# Altium PCB PCB2.PcbDoc
Units mm, origin at the board's own origin, x right, y up, seen from the top; angles counter-clockwise.
Board outline 222.03 x 137.8 mm, 2 copper layers (Top Layer, Bottom Layer); 73 components, 49 nets, 256 pads, 5 vias.
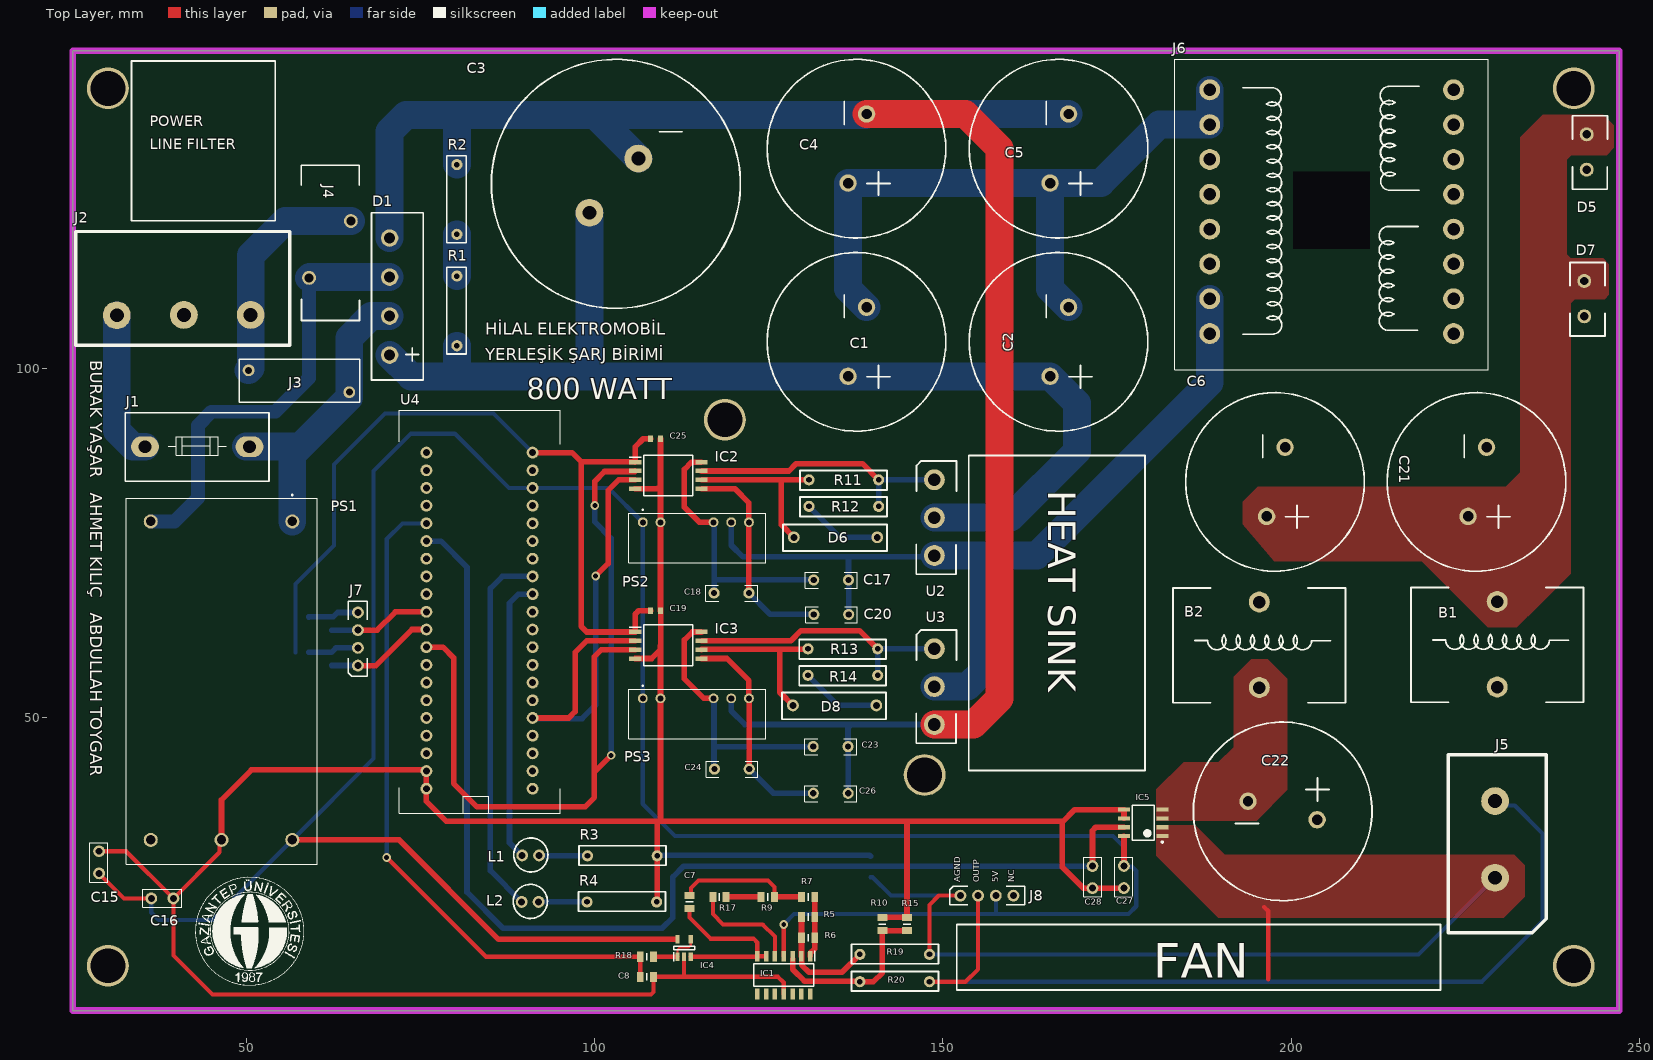
[diagram p0: Top Layer view]
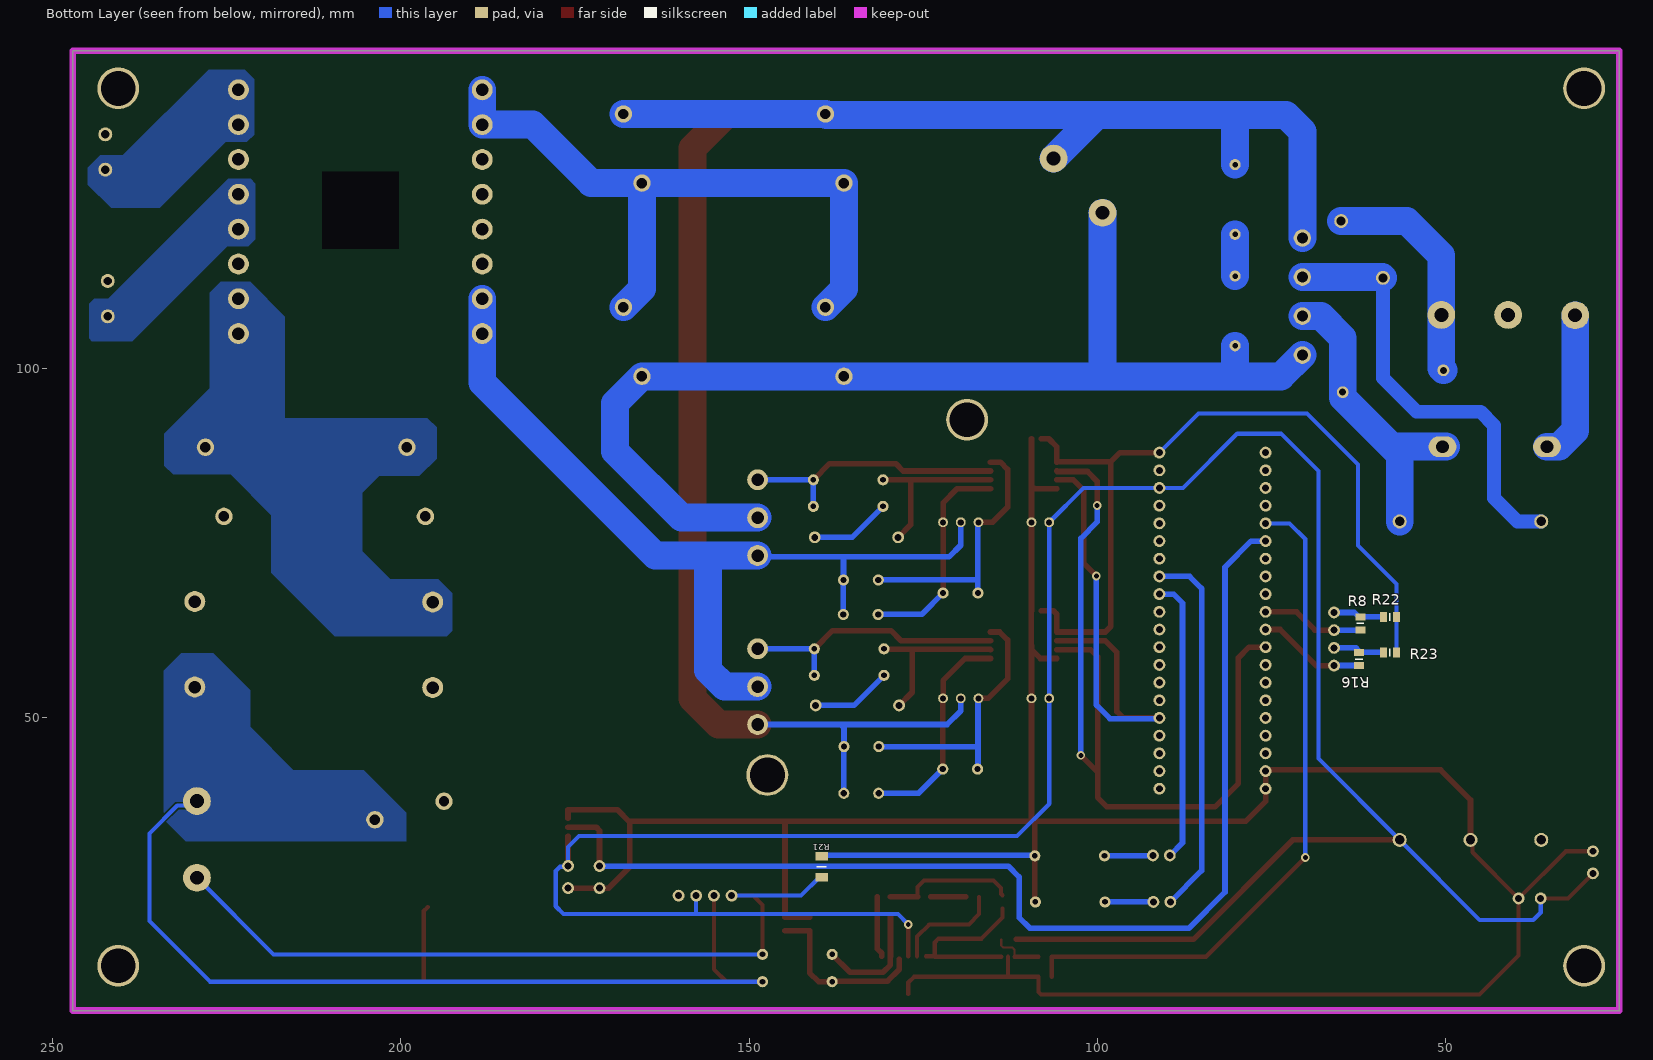
[diagram p1: Bottom Layer view, seen from below]
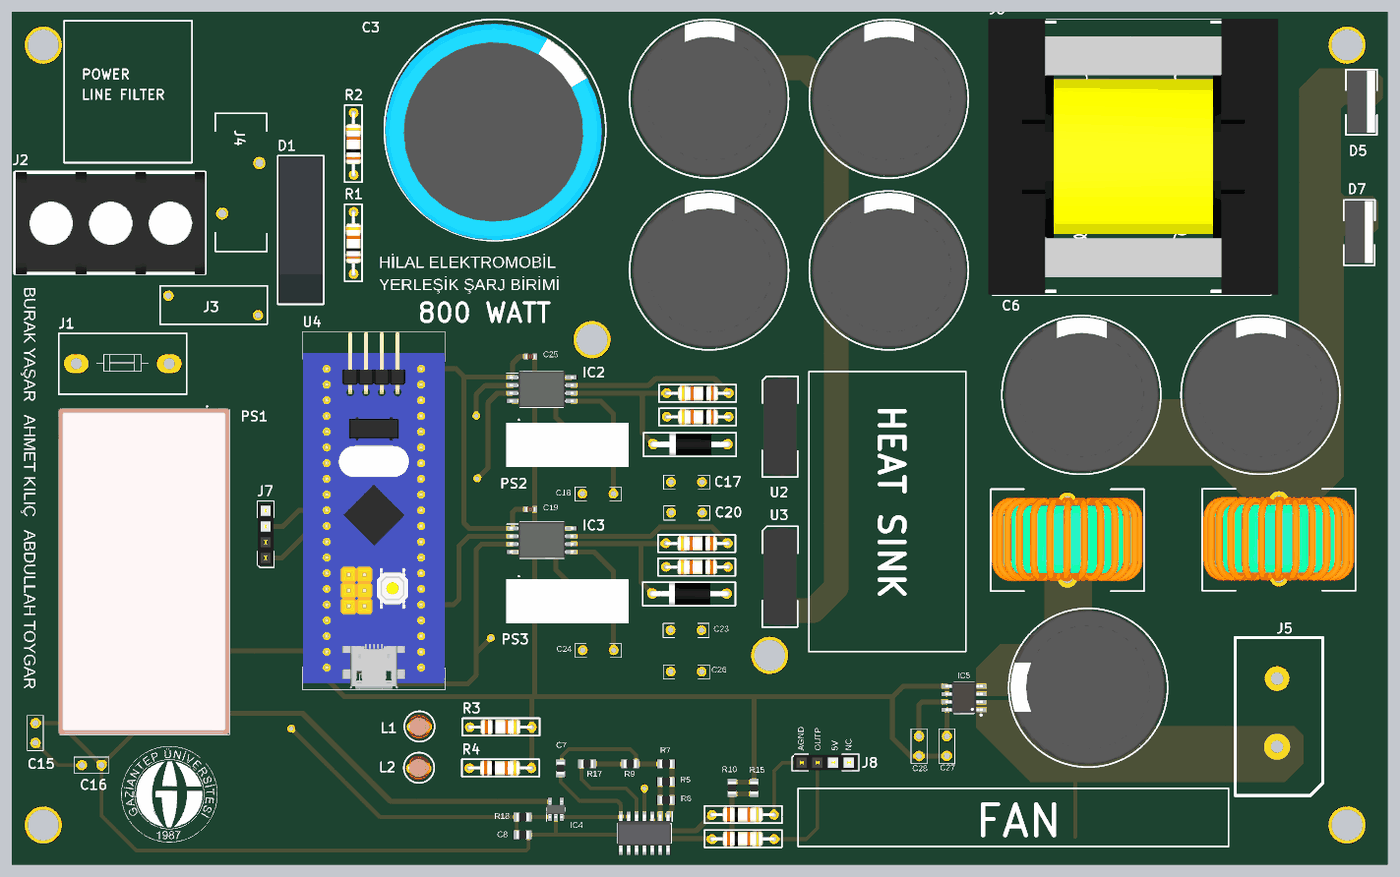
[diagram p2: 3D render of the assembled board from above, using the file's embedded part models]
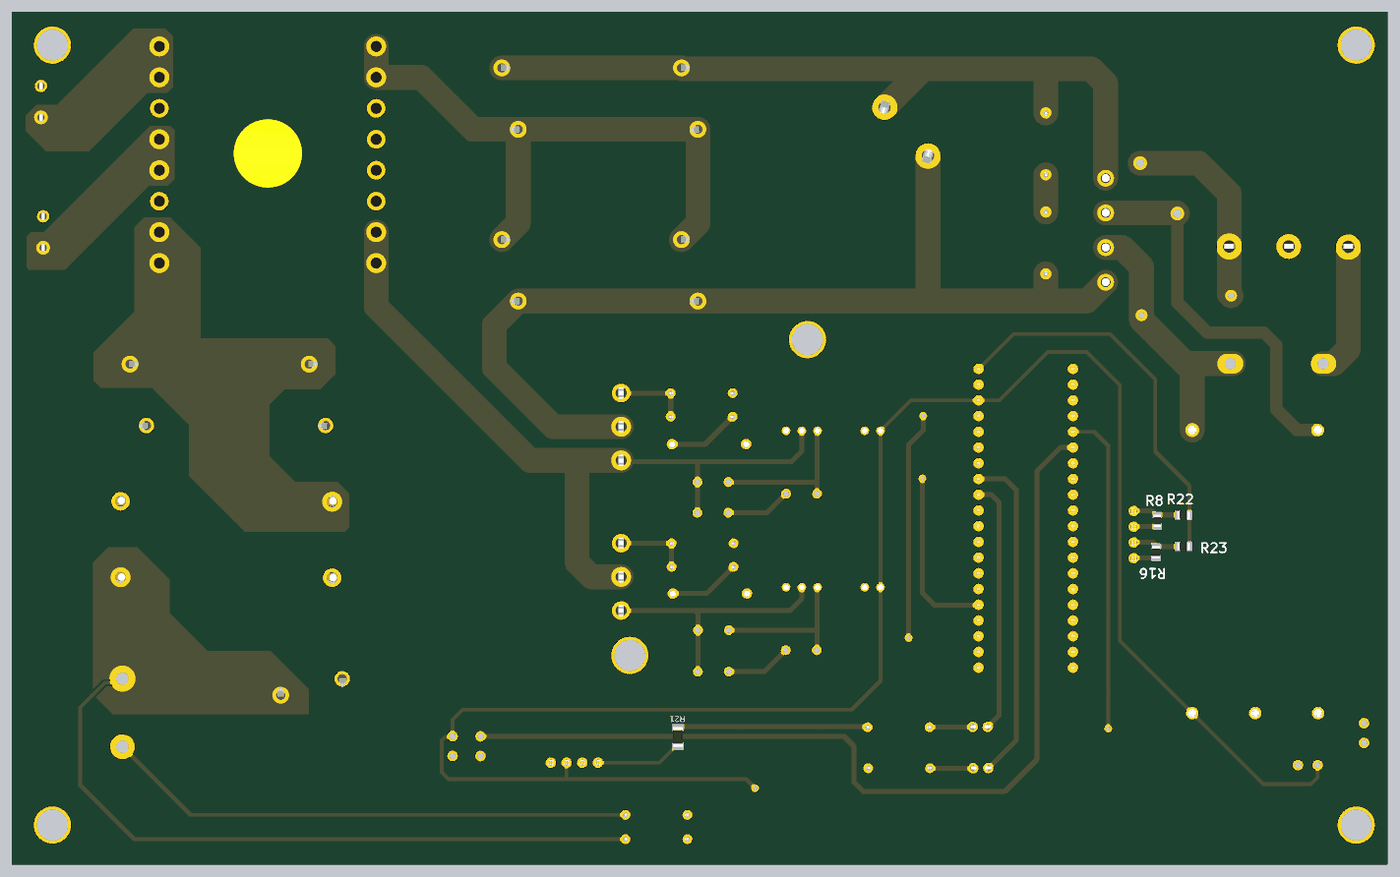
[diagram p3: 3D render of the assembled board from below, using the file's embedded part models]

## Layer stack, top to bottom
Top Solder: solder mask 0.0102, Solder Resist, Dk 3.5
Top Layer: signal copper 0.0356
Dielectric 1: dielectric 0.32, FR-4, Dk 4.8
Bottom Layer: signal copper 0.0356
Bottom Solder: solder mask 0.0102, Solder Resist, Dk 3.5

## Board outline
25.1,7.875 247.125,7.875 247.125,145.675 25.1,145.675

## Design rules (kind name [scope] priority, off if disabled: settings)
Clearance [All] p1: gap=0.254 ignorepadtopadclearanceinfootprint=FALSE except(0: Arc-Hole Track-Hole SMDPad-Hole THPad-Hole Via-Hole Fill-Hole Poly-Hole Region-Hole Text-Hole; 0.1: Arc-Text Track-Text THPad-Text; 0.2: Arc-THPad Track-THPad)
Height [All] p1: minheight=0 maxheight=254 prefheight=12.7
HoleSize [All] p1: absolutevalues=TRUE maxlimit=400 minlimit=0.025 maxpercent=80.000 minpercent=20.000
MinimumSolderMaskSliver [All] p1: minsoldermaskwidth=0.1
PolygonConnect [All] p1: connectstyle=Direct reliefconductorwidth=0.254 reliefentries=4 polygonreliefangle="90 Angle" airgapwidth=0.254
RoutingVias [All] p1: holewidth=0.711 width=1.27 viastyle="Through Hole" minholewidth=0.711 minwidth=1.27 maxholewidth=0.711 maxwidth=1.27
SilkToSolderMaskClearance [IsPad] p1: minsilkscreentomaskgap=0.1 clearancetoexposedcopper=TRUE
SolderMaskExpansion [All] p1: expansion=0.102 istentingtop=FALSE
Width [All] p1: maxlimit=10 minlimit=0.254 preferedwidth=0.254 minimp=50.000000 maximp=50.000000 favimp=50.000000
26 further rules are at their usual default settings.

## Components (designator, comment, footprint, x,y, rotation, side; value= is the part's Value field where it differs from the comment)
B1 "Toroid Bobin" "toroid bobin" 243.15,49.775 r0 top
B2 "Toroid Bobin" "toroid bobin" 209,49.7 r0 top
C1 "680uF 200V" "200v 680uF CAPACITOR" 150.215,91.383 r90 top
C2 "680uF 200V" "200v 680uF CAPACITOR" 179.216,91.383 r90 top
C3 "400V 470uF cap" "400V 470uF" 89.924,113.467 r0 top
C4 "680uF 200V" "200v 680uF CAPACITOR" 150.215,119.12 r90 top
C5 "680uF 200V" "200v 680uF CAPACITOR" 179.216,119.12 r90 top
C6 "680uF 200V" "200v 680uF CAPACITOR" 210.3,71.275 r90 top
C7 "1nF" RESC2012X65N 113.65,23.475 r90 top
C8 "27pF" RESC2012X65N 107.525,12.725 r0 top
C15 "0.1 uF" "0.1 uF mercimek kapasitör" 30.225,26.25 r90 top
C16 "0.1 uF" "0.1 uF mercimek kapasitör" 35.05,22.625 r0 top
C17 "1uF" "KUTU KAPASİTÖR 1uF" 129.05,68.025 r0 top
C18 "0.1uF" "KUTU KAPASİTÖR 1uF" 114.749,66.143 r0 top
C19 "CL10B104KB8NNNC" CAPC1608X90N 108.775,65.278 r0 top
C20 "1uF" "KUTU KAPASİTÖR 1uF" 129.075,63.075 r0 top
C21 "680uF 200V" "200v 680uF CAPACITOR" 239.225,71.275 r90 top
C22 "680uF 200V" "200v 680uF CAPACITOR" 211.3,49.075 r180 top
C23 "1uF" "KUTU KAPASİTÖR 1uF" 128.975,44.1 r0 top
C24 "0.1uF" "KUTU KAPASİTÖR 1uF" 114.796,40.87 r0 top
C25 "CL10B104KB8NNNC" CAPC1608X90N 108.775,89.975 r0 top
C26 "1uF" "KUTU KAPASİTÖR 1uF" 129,37.4 r0 top
C27 "100nF" "0.1 uF mercimek kapasitör" 177.363,24.138 r90 top
C28 "100nF" "0.1 uF mercimek kapasitör" 170.15,29.95 r270 top
D1 "BRIDGE RECTIFIER" RECTIFIER 68.06,123.195 r270 top
D5 "MUR1560 DIODE" "MUR1560 FAST DIODE" 230.35,136.675 r180 top
D6 "SF-26 DIODE" "SF-26 DIODE" 142.05,78.194 r180 top
D7 "MUR1560 DIODE" "MUR1560 FAST DIODE" 230,115.625 r180 top
D8 "SF-26 DIODE" "SF-26 DIODE" 141.912,54.064 r180 top
IC1 "TL034ACD" SOIC127P600X175-14N 127.175,12.975 r270 top
IC2 "STGAP2HSMTR" SOIC127P1032X264-8N 110.617,84.709 r0 top
IC3 "STGAP2HSMTR" SOIC127P1032X264-8N 110.617,60.325 r0 top
IC4 "NCS325SN2T1G" SOT95P275X110-5N 112.875,16.85 r90 top
IC5 "TRANSDUCER" "GHS 16-SME current transducer" 178.776,34.827 r180 top
J1 "sigorta" "FUSE HOLDER" 34.025,85.05 r0 top
J2 "barrier klemens" "BARRİER KLEMENS" 25.7,103.25 r0 top
J3 "275V varistör" "Varistor 275V" 48.95,95.15 r0 top
J4 "NTC" NTC 54.7,137.325 r270 top
J5 "2X BARRİER KLEMENS" "2X BARRİER KLEMENS" 224.825,41.95 r270 top
J6 "smps trafo" "SMPS TRAFO" 181.891,97.041 r0 top
J7 "4x header" "4x header" 68.425,55.135 r90 top
J8 "4x header" "4x header" 150.26,22 r0 top
L1 "led" led 87.65,26.346 r0 top
L2 "led" led 87.575,19.675 r0 top
PS1 "RAC10-05SK_277" RAC1005SK277 56.62,78.1 r270 top
PS2 "RKZ-052005D" RKZ1215SH 106.94,77.978 r0 top
PS3 "RKZ-052005D" RKZ1215SH 106.94,52.705 r0 top
R1 "RESISTOR" "GENERAL RESISTOR" 78.6,114.925 r270 top
R2 "RESISTOR" "GENERAL RESISTOR" 78.6,130.925 r270 top
R3 "500ohm" "GENERAL RESISTOR" 110.6,31.75 r180 top
R4 "500 ohm" "GENERAL RESISTOR" 110.525,25.125 r180 top
R5 "22pF" RESC2012X65N 130.675,18.325 r0 top
R6 "1K3" RESC2012X65N 130.675,21.3 r0 top
R7 "47k" RESC2012X65N 130.675,24.2 r0 top
R8 "0.1uF" RESC2012X65N 62.275,63.45 r270 bottom
R9 "680k" RESC2012X65N 124.875,24.2 r0 top
R10 "1K3" RESC2012X65N 141.325,20.3 r270 top
R11 "1k" "GENERAL RESISTOR" 129.2,82.424 r0 top
R12 "1k" "GENERAL RESISTOR" 129.2,78.613 r0 top
R13 "1k" "GENERAL RESISTOR" 129.062,58.167 r0 top
R14 "1k" "GENERAL RESISTOR" 129.062,54.357 r0 top
R15 "22pF" RESC2012X65N 144.875,20.3 r270 top
R16 "0.1uF" RESC2012X65N 62.45,58.35 r90 bottom
R17 "18k" RESC2012X65N 117.95,24.2 r0 top
R18 "33R" RESC2012X65N 107.525,15.6 r180 top
R19 "56K" "GENERAL RESISTOR" 149.7,17.6 r180 top
R20 "56K" "GENERAL RESISTOR" 149.7,13.675 r180 top
R21 "ZERO OHM" RESC3216X75N 139.625,28.525 r270 bottom
R22 "10K" RESC2012X65N 58.025,64.375 r180 bottom
R23 "10K" RESC2012X65N 58.025,59.3 r180 bottom
U2 "LSIC1MO120E0160" LSIC1MO120E0160 145.114,87.936 r270 top
U3 "LSIC1MO120E0160" LSIC1MO120E0160 145.114,63.681 r270 top
U4 "stm32 blue pill" "STM32 BLUE PİLL" 97.515,99.91 r180 top

## Footprints (in the part's own frame and the unit in brackets; to place one, negate y for a bottom-side part, rotate by r counter-clockwise, add the part's x,y. Pads: shape width x height; smd on the part's side, far side on the other; paste and mask are expansions set on the pad)
"0.1 uF mercimek kapasitör" [mm] "kapasitör"
  round 1.7 hole 1: 1(1.325,1.35) 2(4.5,1.35)
  silkscreen extent 0.08,0.08 5.73,2.65, body extent 1.15,0.28 4.65,2.33, height 3.75
"2X BARRİER KLEMENS" [mm]
  round 4 hole 2: 1(4,4.475) 2(15,4.475)
  silkscreen extent -2.63,-2.27 22.9,11.83
"4x header" [mm]
  round 1.7 hole 1: 1(2.275,2.375) 2(4.815,2.375) 3(7.355,2.375) 4(9.895,2.375)
  silkscreen extent 0.75,1.05 11.52,3.75, body extent 1.04,1.11 11.2,3.65, height 10
"200v 680uF CAPACITOR" [mm] "10.2 mm"
  round 2.5 hole 1.5: 1(7.55,13.8) 2(17.475,11.15)
  silkscreen extent -0.32,-0.22 25.32,25.42, body extent 0.02,0.02 25.03,25.02, height 31.91
"400V 470uF" [mm]
  round 4 hole 2: 1(9.35,8.95) 2(16.375,16.725)
  silkscreen extent -4.72,-4.77 31.02,30.97, body extent -4.6,-4.72 30.4,30.27, height 50
"BARRİER KLEMENS" [mm] "9.5mm"
  round 4 hole 2: 1(5.725,4.45) 2(15.35,4.5) 3(24.95,4.5)
  silkscreen extent -0.15,0.15 30.55,16.47, body extent 0.01,0 30.59,16.5, height 18.5
CAPC1608X90N [mm]
  rect 0.73x0.94 smd: 1(-0.71,0) 2(0.71,0)
  body extent -0.8,-0.4 0.8,0.4, height 0.9
"FUSE HOLDER" [mm] "Sigorta (2.2mm)"
  oval 4x3 hole 1.8: 1(1.45,3.775) 2(16.45,3.775)
  silkscreen extent -1.4,-1.17 19.25,8.65
"GENERAL RESISTOR" [mm]
  round 1.6 hole 0.8: 1(1.6,1.65) 2(11.6,1.65)
  silkscreen extent 0.33,0.2 12.8,3, body extent 1.4,0.35 11.9,2.87, height 2.64
"GHS 16-SME current transducer" [mm] "SOIC, 8-Leads, Body 4,89x3,90mm, Pitch 1,27mm, IPC High Density"
  rect 1.7x0.6 smd: 1(-2.75,1.905) 2(-2.75,0.635) 3(-2.75,-0.635) 4(-2.75,-1.905) 5(2.75,-1.905) 6(2.75,-0.635) 7(2.75,0.635) 8(2.75,1.905)
  silkscreen extent -2.88,-2.5 1.6,2.88, body extent -3.01,-2.5 3.01,2.5, height 1.63
"KUTU KAPASİTÖR 1uF" [mm] "1uF"
  round 1.6 hole 0.9: 1(2.425,1.675) 2(7.425,1.675)
  silkscreen extent 1.22,0.48 8.67,2.78
led [mm] "led"
  round 1.7 hole 1: 1(1.975,3.8) 2(4.4,3.8)
  silkscreen extent 0.78,1.43 5.68,6.32, body extent 1.53,1.9 5.1,5.79, height 5.3
LSIC1MO120E0160 [mm] "MOSFET"
  round 3 hole 1.8: 1(3.856,3.686) 2(9.296,3.686) 3(14.736,3.686)
  silkscreen extent 1.15,1.1 17.42,6.85, body extent 1.37,1.31 17.22,6.61, height 25.95
"MUR1560 FAST DIODE" [mm]
  round 2 hole 1.2: 1(-12.1,3) 2(-12.1,8.075)
  silkscreen extent -15.09,0.35 -10.06,10.9, body extent -14.75,0.57 -10.31,10.53, height 8.97
NTC [mm]
  round 2 hole 1.3: 1(16.1,10.325) 2(24.25,4.325)
  silkscreen extent 8.08,3.2 30.37,11.55, body extent 8.23,3.35 30.23,11.35, height 24
RAC1005SK277 [mm]
  round 2.025 hole 1.35: 1(0,0) 2(0,-20.32) 3(45.72,-20.32) 4(45.72,-10.16) 5(45.72,0)
  silkscreen extent -3.9,-23.82 49.2,3.58, body extent -3.51,-24.02 49.19,3.58, height 23.23
RECTIFIER [mm]
  round 2.5 hole 1.6: 1(10.02,2.54) 2(15.62,2.54) 3(4.42,2.54) 4(21.22,2.54)
  silkscreen extent 0.78,-0.05 24.78,7.35, body extent 0.95,0.08 24.66,7.18, height 21.4
RESC2012X65N [mm]
  rect 1x1.45 smd: 1(-0.95,0) 2(0.95,0)
  silkscreen extent 0,-0.53 0,0.53, body extent -1,-0.63 1,0.63, height 0.65
RESC3216X75N [mm]
  rect 1.2x1.8 smd: 1(-1.5,0) 2(1.5,0)
  silkscreen extent 0,-0.7 0,0.7, body extent -1.6,-0.8 1.6,0.8, height 0.75
RKZ1215SH [mm] "dc-dc 5-20"
  round 1.414 hole 0.87: 1(0,0) 2(2.54,0) 5(10.16,0) 6(12.7,0) 7(15.24,0)
  silkscreen extent -2,-5.78 17.65,1.9, body extent -1.99,-5.78 17.65,1.26, height 10.11
"SF-26 DIODE" [mm]
  round 1.7 hole 1: 1(1.45,2.375) 2(13.425,2.375)
  silkscreen extent 0.05,0.53 15,4.35, body extent 1,0.65 13.9,4.15, height 3.75
"SMPS TRAFO" [mm]
  round 3 hole 1.8: 1(6.45,43.025) 2(6.45,38.025) 3(6.45,33.025) 4(6.45,28.025) 5(6.45,23.025) 6(6.45,18.025) 7(6.45,13.025) 8(6.45,8.025) 9(41.45,8.025) 10(41.45,13.025) 11(41.45,18.025) 12(41.45,23.025) 13(41.45,28.025) 14(41.45,33.025) 15(41.45,38.025) 16(41.45,43.025)
  silkscreen extent 1.45,2.8 46.45,47.4, body extent 0.8,2.93 47.6,47.53, height 42.24
SOIC127P600X175-14N [mm]
  rect 1.525x0.65 smd: 1(-2.712,3.81) 2(-2.712,2.54) 3(-2.712,1.27) 4(-2.712,0) 5(-2.712,-1.27) 6(-2.712,-2.54) 7(-2.712,-3.81) 8(2.712,-3.81) 9(2.712,-2.54) 10(2.712,-1.27) 11(2.712,0) 12(2.712,1.27) 13(2.712,2.54) 14(2.712,3.81)
  silkscreen extent -3.47,-4.33 1.6,4.48, body extent -3.01,-4.33 3.01,4.33, height 1.75
SOIC127P1032X264-8N [mm]
  rect 1.75x0.65 smd: 1(-4.75,1.905) 2(-4.75,0.635) 3(-4.75,-0.635) 4(-4.75,-1.905) 5(4.75,-1.905) 6(4.75,-0.635) 7(4.75,0.635) 8(4.75,1.905)
  silkscreen extent -5.63,-2.92 3.52,2.92, body extent -5.16,-2.92 5.16,2.92, height 2.64
SOT95P275X110-5N [mm]
  rect 1.25x0.6 smd: 1(-1.25,0.95) 2(-1.25,0) 3(-1.25,-0.95) 4(1.25,-0.95) 5(1.25,0.95)
  silkscreen extent -1.88,-1.5 0.28,1.5, body extent -1.38,-1.5 1.38,1.5, height 1.1
"STM32 BLUE PİLL" [mm]
  round 1.7 hole 1: 1(21.64,11.925) 2(21.64,14.465) 3(21.64,17.005) 4(21.64,19.545) 5(21.64,22.085) 6(21.64,24.625) 7(21.64,27.165) 8(21.64,29.705) 9(21.64,32.245) 10(21.64,34.785) 11(21.64,37.325) 12(21.64,39.865) 13(21.64,42.405) 14(21.64,44.945) 15(21.64,47.485) 16(21.64,50.025) 17(21.64,52.565) 18(21.64,55.105) 19(21.64,57.645) 20(21.64,60.185) 21(6.4,60.185) 22(6.4,57.645) 23(6.4,55.105) 24(6.4,52.565) 25(6.4,50.025) 26(6.4,47.485) 27(6.4,44.945) 28(6.4,42.405) 29(6.4,39.865) 30(6.4,37.325) 31(6.4,34.785) 32(6.4,32.245) 33(6.4,29.705) 34(6.4,27.165) 35(6.4,24.625) 36(6.4,22.085) 37(6.4,19.545) 38(6.4,17.005) 39(6.4,14.465) 40(6.4,11.925)
  silkscreen extent 2.42,5.87 25.58,63.73, body extent 2.57,6.04 25.43,63.61, height 13.77
"toroid bobin" [mm]
  round 3 hole 1.8: 1(-13.55,16.825) 2(-13.55,4.55)
  silkscreen extent -25.93,2.37 -1.17,18.85, body extent -25.75,3.97 -1.4,17.53, height 25.26
"Varistor 275V" [mm]
  round 1.7 hole 1: 1(1.4,4.65) 2(15.85,1.5)
  silkscreen extent 0.05,0.05 17.35,6.25

## Part data
C1 C2 C4 C5 C6 C21 C22: "CAPACITOR"
C3: "470 uF"
C7 C8 R5 R6 R7 R8 R9 R10 R15 R16 R17 R18 R22 R23: library part CPF0805B100RE1, "Resistor", Manufacturer_Name="TE Connectivity", Mouser Part Number=279-CPF0805B100RE1, Arrow Part Number=CPF0805B100RE1, Arrow Price/Stock=https://www.arrow.com/en/products/cpf0805b100re1/te-connectivity?region=nac, Datasheet Link=https://datasheet.datasheetarchive.com/originals/distributors/DKDS-21/401696.pdf, Height=0.65mm, Manufacturer_Part_Number=CPF0805B100RE1, Mouser Price/Stock=https://www.mouser.co.uk/ProductDetail/TE-Connectivity-Holsworthy/CPF0805B100RE1?qs=9ylKvqdyudkCWLPT1QvLZQ%3D%3D
C15 C16 C27 C28: library part "0.1 uF mercimek kapasitör", "CAPACITOR"
C17 C20 C23 C26: library part "KUTU KAPASİTÖR 1uF"
C18 C24: library part "KUTU KAPASİTÖR 1uF", "1uF"
C19 C25: "Capacitor", Manufacturer_Name=SAMSUNG, Mouser Part Number=187-CL10B104KB8NNNC, Arrow Part Number=CL10B104KB8NNNC, Arrow Price/Stock=https://www.arrow.com/en/products/cl10b104kb8nnnc/samsung-electro-mechanics?region=nac, Datasheet Link=https://datasheet.datasheetarchive.com/originals/distributors/Datasheets-DGA10/2408969.pdf, Height=0.9mm, Manufacturer_Part_Number=CL10B104KB8NNNC, Mouser Price/Stock=https://www.mouser.co.uk/ProductDetail/Samsung-Electro-Mechanics/CL10B104KB8NNNC?qs=349EhDEZ59rvGc2rLwVOdA%3D%3D
D1: "RECTIFIER"
D5 D6 D7 D8: "DIODE"
IC1: "Integrated Circuit", Manufacturer_Name="Texas Instruments", Mouser Part Number=595-TL034ACD, Arrow Part Number=TL034ACD, Arrow Price/Stock=https://www.arrow.com/en/products/tl034acd/texas-instruments, Datasheet Link=http://www.ti.com/lit/gpn/TL034A, Height=1.75mm, Manufacturer_Part_Number=TL034ACD, Mouser Price/Stock=https://www.mouser.com/Search/Refine.aspx?Keyword=595-TL034ACD
IC2 IC3: "Integrated Circuit", Manufacturer_Name=STMicroelectronics, Mouser Part Number=511-STGAP2HSMTR, Arrow Part Number=STGAP2HSMTR, Arrow Price/Stock=https://www.arrow.com/en/products/stgap2hsmtr/stmicroelectronics?region=nac, Datasheet Link=https://www.st.com/resource/en/datasheet/stgap2hs.pdf, Height=2.64mm, Manufacturer_Part_Number=STGAP2HSMTR, Mouser Price/Stock=https://www.mouser.co.uk/ProductDetail/STMicroelectronics/STGAP2HSMTR?qs=DPoM0jnrROVEB9wqbhFGMA%3D%3D
IC4: "Integrated Circuit", Manufacturer_Name=onsemi, Mouser Part Number=863-NCS325SN2T1G, Arrow Part Number=NCS325SN2T1G, Arrow Price/Stock=https://www.arrow.com/en/products/ncs325sn2t1g/on-semiconductor, Datasheet Link=https://componentsearchengine.com/Datasheets/1/NCS325SN2T1G.pdf, Height=1.1mm, Manufacturer_Part_Number=NCS325SN2T1G, Mouser Price/Stock=https://www.mouser.co.uk/ProductDetail/onsemi/NCS325SN2T1G?qs=dbuNSGnowt2g9SoYxOxXaw%3D%3D
J2: "9.5mm"
J3: "VARISTOR"
J4: "SİGORTA"
J7 J8: "header"
PS1: "Power Supply", Arrow Part Number=RAC10-05SK/277, Manufacturer_Name="RECOM Power", Mouser Part Number=919-RAC10-05SK/277, Arrow Price/Stock=https://www.arrow.com/en/products/rac10-05sk277/recom-power?region=europe, Datasheet Link=https://componentsearchengine.com/Datasheets/1/RAC10-05SK_277.pdf, Height=23.5mm, Manufacturer_Part_Number=RAC10-05SK/277, Mouser Price/Stock=https://www.mouser.co.uk/ProductDetail/RECOM-Power/RAC10-05SK-277?qs=j%252B1pi9TdxUZOeTKEBCMwCw%3D%3D
PS2 PS3: "Power Supply", Manufacturer_Name="RECOM Power", Mouser Part Number=919-RKZ-052005D, Arrow Part Number=RKZ-052005D, Arrow Price/Stock=https://www.arrow.com/en/products/rkz-052005d/recom-power, Datasheet Link=https://www.recom-power.com/pdf/Econoline/RKZ-xx2005D.pdf, Height=10.7mm, Manufacturer_Part_Number=RKZ-052005D, Mouser Price/Stock=https://www.mouser.co.uk/ProductDetail/RECOM-Power/RKZ-052005D?qs=IbBl3rwNelPSJrfShwexQQ%3D%3D
R1 R2: "GENERAL RESISTOR"
R3 R4 R11 R12 R13 R14 R19 R20: library part RESISTOR, "GENERAL RESISTOR"
R21: library part CR1206-F_-2R00ELF, "Resistor", Manufacturer_Name=Bourns, Manufacturer_Part_Number=CR1206-F/-2R00ELF, Mouser Part Number=652-CR1206-F/2R00ELF, Height=0.75mm, Mouser Price/Stock=https://www.mouser.co.uk/ProductDetail/Bourns/CR1206-F-2R00ELF?qs=W%2FMpXkg%252BdQ47Z%2FeZv1nDSg%3D%3D
U2 U3: "MOSFET"
U4: "CONTROLLER"

## Free pads (board coordinates)
  rect 1x1 hole 11 square: 2(205.825,122.775)
  round 6 hole 5: ""(30.15,14.3) ""(30.15,140.275) ""(118.725,92.7) ""(147.4,41.7) ""(240.6,14.3) ""(240.6,140.275)

## Via types
v1: diameter 1.27, hole 0.711, Top Layer to Bottom Layer, 5 vias

## Nets (pads, with @x,y where several pads share a name; then routed paths per layer and width w, separated by ;. In a path a pad name is that pad's centre, name@x,y a point inside that pad or via, vN(x,y) a via of type N, cw(c..) or ccw(c..) an arc to the next point about the centre after c; other vN are vias at no path point)
3.3V: C19.1 C25.1 IC2.1 IC3.1 R22.2 R23.2 U4.40 | length 120.1
  Top Layer w0.8: U4.40 96.779,87.985 98.075,86.689 ; C19.1 106.336,65.278 105.867,64.809 IC3.1 98.895,62.23 98.075,63.05 98.075,86.689 ; C25.1 107,89.975 105.867,88.842 IC2.1 105.792,86.689 98.075,86.689
  Bottom Layer w0.6: R23.2 R22.2 57.075,69.1 62.6,74.625 62.6,86.275 69.925,93.6 85.5,93.6 U4.40
5V: C15.1 C16.1 C27.2 IC1.4 IC4.5 IC5.8 J8.3 PS1.5 PS2.1 PS3.1 U4.38 | length 386.4
  Top Layer w0.6: C15.1 32.475,23.975 C16.1 ; IC1.4 v1(127.175,20.25)
  Top Layer w0.8: PS1.5 71.97,32.38 86.25,18.1 IC4.5@111.7,18.1 ; IC5.8@176.017,32.913 IC5.8 C27.2@176.026,28.65
  Bottom Layer w0.6: C16.1 36.375,21.975 37.45,20.9 45.14,20.9 PS1.5 68.3,44.06 68.3,85.325 73.675,90.7 79.95,90.7 87.745,82.905 U4.38 102.013,82.905 PS2.1 PS3.1@106.94,52.775 ; PS3.1 106.94,37.56 111.55,32.95 174.425,32.95 176.025,31.35 C27.2@176.025,28.65 ; v1(127.175,20.25) 128.65,21.725 157.625,21.725 ; J8.3 157.625,24.365 157.625,21.725 ; C27.2 176.125,28.525 177.175,28.525 177.775,27.925 177.775,22.85 176.65,21.725 157.625,21.725
"20V HS": C18.2 C20.1 IC2.5 PS2.7 | length 31.2
  Top Layer w0.8: IC2.5 120.142,82.804 122.18,80.766 PS2.7 122.177,77.975 122.177,67.821 C18.2
  Bottom Layer w0.8: C18.2 125.242,64.75 C20.1 ; PS2.7@122.177,77.975 PS2.7
"20V LS": C24.2 C26.1 IC3.5 PS3.7 | length 31.5
  Top Layer w0.8: IC3.5 118.999,58.42 122.18,55.239 PS3.7 122.201,52.685 122.201,42.565 C24.2
  Bottom Layer w0.8: PS3.7 PS3.7@122.201,52.685 ; C24.2 125.691,39.075 C26.1
155V: C1.2 C2.2 C4.1 C5.1 J6.1 J6.2 | length 98.2
  Bottom Layer w4: C1.2 136.415,111.508 C4.1 C5.1 ; C2.2 165.415,111.508 C5.1 ; J6.1 J6.2 181.091,135.066 172.696,126.671 C5.1
310V: C1.1 C2.1 C3.1 D1.4 R1.2 U2.2 | length 160.8
  Bottom Layer w4: D1.4 73.642,98.933 80.35,98.933 ; R1.2 80.25,99.033 80.35,98.933 ; C3.1 99.274,98.933 ; U2.2 159.74,78.64 169.275,88.175 169.275,95.073 C2.1 C1.1 99.274,98.933 ; 80.35,98.933 99.274,98.933
"-5V LS": C23.1 C24.1 IC3.8 PS3.5 | length 38.3
  Top Layer w0.8: IC3.8 114.046,62.23 112.903,61.087 112.903,55.499 115.697,52.705 PS3.5
  Bottom Layer w0.8: PS3.5 117.161,52.645 117.161,42.605 C24.1 ; 117.221,45.775 C23.1
-5VHS: C17.1 C18.1 IC2.8 PS2.5 | length 37.9
  Top Layer w0.8: IC2.8 113.955,86.614 112.903,85.562 112.903,80.137 115.062,77.978 PS2.5
  Bottom Layer w0.8: PS2.5 117.174,77.904 117.174,69.7 ; C18.1 117.174,69.7 ; C17.1 117.174,69.7
A: D1.2 J1.2 J3.2 PS1.1 | length 43.6
  Bottom Layer w4: J1.2@49.975,88.85 57.184,88.85 ; PS1.1 56.62,87.32 ; 56.62,87.72 64.8,95.9 64.8,104.457 67.918,107.575 D1.2
AGND: IC5.1 IC5.2 J5.2 J8.1 R19.1 R21.2 | length 122.5
  Top Layer w0.6: R19.1 148.1,23.05 149.425,24.375 J8.1 ; 196.15,22.75 196.725,22.175 196.725,12.375
  Bottom Layer w0.6: R21.2 139.925,27.025 142.575,24.375 J8.1 ; R19.1 218.3,15.95 J5.2
B: D1.1 J4.2 PS1.2 | length 63.4
  Bottom Layer w2: PS1.2 39.7,78.1 43.075,81.475 43.075,91.875 45.05,93.85 54.2,93.85 59.025,98.675 J4.2
  Bottom Layer w4: J4.2 59.125,113.175 D1.1
current: C28.1 IC5.7 U4.6 | length 162.9
  Top Layer w0.8: C28.1 171.5,33.723 171.969,34.192 IC5.7
  Bottom Layer w0.8: U4.6 77.94,75.285 81.7,71.525 81.7,24.875 86.875,19.7 109.725,19.7 111.25,21.225 111.25,27.05 112.825,28.625 C28.1
"GND HS": C17.2 C20.2 J6.7 J6.8 PS2.6 U2.3 U3.2 | length 127.6
  Bottom Layer w0.8: PS2.6 119.64,74.685 121.325,73 136.4,73 ; C20.2 136.487,64.762 136.487,69.688 C17.2 136.475,72.925 136.4,73 ; U2.3 148.6,73 136.4,73
  Bottom Layer w4: U3.2 153.557,54.385 155.9,56.728 155.9,72.621 156.079,72.8 ; U2.3 155.9,73.2 163.5,73.2 188.341,98.041 J6.8 J6.7
"GND LS": C3.2 C4.2 C5.2 C23.2 C26.2 D1.3 PS3.6 R2.1 U3.3 | length 283.1
  Top Layer w0.8: C23.2 C23.2@136.413,45.762 ; C26.2@136.413,39.087 C26.2
  Top Layer w4: C4.2 153.229,136.596 158.15,131.675 158.15,52.675 154.42,48.945 U3.3
  Bottom Layer w0.8: PS3.6 119.64,50.91 121.605,48.945 136.869,48.945 ; C23.2 136.4,48.476 136.869,48.945 ; C26.2@136.413,39.087 C23.2@136.413,45.762 ; U3.3 136.869,48.945
  Bottom Layer w4: D1.3 70.6,134.085 72.943,136.428 81.422,136.428 ; R2.1 80.25,135.975 ; 80.609,135.616 81.422,136.428 ; C3.2 100.063,136.428 ; C4.2@138.898,136.428 100.063,136.428 ; C4.2 C5.2 ; 81.422,136.428 100.063,136.428
HIN: IC2.2 IC3.3 U4.12 | length 121.4
  Top Layer w0.8: U4.12 78.255,60.045 79.775,58.525 79.775,40.5 83.144,37.131 98.656,37.131 100,38.475 100,42.125 ; v1(100.05,80.4) 100.05,83.875 101.444,85.269 105.792,85.269 IC2.2 ; v1(102.4,44.525) 100,42.125 ; IC3.3 100.99,59.69 100,58.7 100,42.125
  Bottom Layer w0.8: v1(100.05,80.4) 100.05,78.025 102.4,75.675 v1(102.4,44.525)
"INPUT GND": C8.2 C15.2 C16.2 C19.2 C25.2 C27.1 C28.2 IC1.11 IC2.4 IC3.4 IC4.2 IC5.5 IC5.6 PS1.4 PS2.2 PS3.2 R3.1 R4.1 R10.1 R15.1 R21.1 U4.19 U4.20 | length 413.8
  Top Layer w0.6: C15.2 32.775,30.75 C16.2 ; PS1.4 46.187,32.107 46.187,30.612 C16.2 ; R4.1 R4.1@109,23.475 ; IC4.2 112.875,12.725 ; IC1.11 127.175,11.9 126.35,12.725 112.875,12.725 ; C16.2 39.55,15.8 45.15,10.2 108.124,10.2 108.475,10.551 C8.2 112.875,12.725
  Top Layer w0.8: PS1.4 46.46,38.135 50.75,42.425 75.715,42.425 U4.19 U4.20 75.875,37.9 77.043,36.732 78.7,35.075 109,35.075 ; IC2.4@105.853,82.79 IC2.4 109.083,82.804 109.48,83.202 ; IC3.4 108.204,58.42 109.48,59.696 ; R4.1@109,23.475 R3.1 109,35.075 ; C19.2 109.483,65.28 109.483,77.976 PS2.2 109.48,82.575 109.485,82.58 C25.2 ; C19.2@109.5,65.208 109.5,60.25 109.48,60.23 109.48,59.696 ; R10.1 R15.1 144.875,35.075 ; 167.05,35.075 144.875,35.075 ; C28.2 170.175,25.45 167.175,28.45 167.175,34.95 168.957,36.732 IC5.5 IC5.6 ; C28.2@171.512,25.463 C27.1 ; 109,35.075 109.48,35.075 ; 109.48,35.075 144.875,35.075 ; 109.48,35.075 PS3.2 109.48,59.696
  Bottom Layer w0.8: R3.1 109.087,30.188 139.462,30.188 R21.1
LIN: IC2.3 IC3.2 U4.25 | length 70.3
  Top Layer w0.8: U4.25 96.31,49.885 97.225,50.8 97.225,59.3 98.885,60.96 IC3.2 ; v1(100.175,70.275) 101.95,72.05 101.95,82.55 103.474,84.074 IC2.3
  Bottom Layer w0.8: U4.25 91.2,49.8 98.225,49.8 100.175,51.75 v1(100.175,70.275)
NetB1_1: B1.1 C6.1 C21.1 D5.1 D7.1
NetB2_1: B2.1 C6.2 C21.2 J6.9 J6.10
NetB2_2: B2.2 C22.2 IC5.3 IC5.4
NetC7_2: C7.2 R7.1 R9.2 | length 19.3
  Top Layer w0.6: C7.2 113.849,24.624 113.849,25.474 114.925,26.55 124.9,26.55 125.825,25.625 R9.2
  Top Layer w0.8: R9.2 R7.1
NetD5_2: D5.2 J6.15 J6.16
NetD6_1: D6.1 R12.1 | length 11.6
  Bottom Layer w0.8: R12.1 135.244,75.819 D6.1
NetD6_2: D6.2 IC2.6 R11.1 | length 24.4
  Top Layer w0.8: IC2.6 126.825,84.074 ; D6.2 126.825,77.619 126.825,84.074 ; R11.1 126.825,84.074
NetD7_2: D7.2 J6.12 J6.13
NetD8_1: D8.1 R14.1 | length 11.6
  Bottom Layer w0.8: R14.1 134.98,51.689 D8.1
NetD8_2: D8.2 IC3.6 R13.1 | length 24.2
  Top Layer w0.8: IC3.6 115.431,59.753 126.6,59.753 ; D8.2 126.6,53.576 126.6,59.753 ; R13.1 130.598,59.753 126.6,59.753
NetJ1_1: J1.1 J2.1 | length 21.6
  Bottom Layer w4: J2.1 31.425,91.168 33.768,88.825 J1.1
NetJ2_3: J2.3 J3.1 J4.1 | length 33
  Bottom Layer w4: J3.1 50.65,100.1 50.65,116.275 55.6,121.225 J4.1
NetJ7_2: J7.2 R16.2 R23.1 | length 7.3
  Bottom Layer w0.8: R23.1 62.25,59.3 62.9,59.95 J7.2
NetJ7_4: J7.4 R8.1 R22.1 | length 7.3
  Bottom Layer w0.8: R22.1 58.988,64.388 62.488,64.388 63.13,65.03 J7.4
NetL1_1: L1.1 U4.32 | length 40.8
  Bottom Layer w0.8: L1.1 87.8,31.971 87.8,66.375 89.09,67.665 U4.32
NetL1_2: L1.2 R3.2 | length 7
  Bottom Layer w0.8: L1.2 92.073,30.123 98.977,30.123 R3.2
NetL2_1: L2.1 U4.33 | length 53.6
  Bottom Layer w0.8: L2.1 85.05,27.975 85.05,68.475 86.78,70.205 U4.33
NetL2_2: L2.2 R4.2 | length 6.9
  Bottom Layer w0.8: L2.2 R4.2
NetR1_1: R1.1 R2.2 | length 6
  Bottom Layer w4: R1.1 R2.2
NetR5_1: IC1.2 R5.1 R6.1 R19.2 | length 16.7
  Top Layer w0.8: R6.1 R5.1 129.72,18.32 129.72,15.692 IC1.2 129.74,15.662 129.74,14.435 130.8,13.375 135.525,13.375 R19.2
NetR5_2: IC1.1 R5.2 R6.2 R7.2 | length 8.8
  Top Layer w0.8: IC1.1 130.985,16.125 131.6,16.74 131.6,18.3 R5.2 R6.2 R7.2
NetR9_1: R9.1 R17.2 | length 5
  Top Layer w0.8: R17.2 R9.1
NetR10_2: IC1.3 R10.2 R15.2 R20.2 | length 25
  Top Layer w0.8: IC1.3@128.47,15.225 128.47,13.78 130.15,12.1 R20.2@137.967,12.1 ; R20.2 140.05,12.025 141.325,13.3 R10.2 R15.2
NetR11_2: IC2.7 R11.2 R12.2 U2.1 | length 38.6
  Top Layer w0.8: IC2.7 127.919,85.344 128.975,86.4 138.474,86.4 R11.2
  Bottom Layer w0.8: R12.2 R11.2 140.803,84.077 148.797,84.077 U2.1
NetR13_2: IC3.7 R13.2 R14.2 U3.1 | length 39
  Top Layer w0.8: IC3.7 128.185,60.96 129.65,62.425 138.054,62.425 R13.2
  Bottom Layer w0.8: R14.2 R13.2 ; R13.2@140.777,59.817 R13.2 ; U3.1 148.796,59.821 140.666,59.821 R13.2
NetR18_1: IC4.1 IC4.4 R18.1 | length 7.5
  Top Layer w0.3: IC4.1 111.925,16.625 112.25,16.95 113.575,16.95 113.825,17.2 IC4.4
  Top Layer w0.6: R18.1 IC4.1
opamp: C7.1 IC1.6 IC1.7 IC4.3 | length 25.3
  Top Layer w0.6: C7.1 113.65,21.225 116.675,18.2 122.826,18.2 123.365,17.661 IC1.7 ; IC4.3 123.34,15.6 123.365,15.626 IC1.7 ; IC1.6 IC1.7
OUTP: B1.2 C22.1 J5.1 J8.2 R20.1 | length 131.2
  Top Layer w0.6: R20.1 153.3,12.025 155.075,13.8 J8.2
  Bottom Layer w0.6: R20.1 227.4,12.025 236.125,20.75 236.125,33.3 232.126,37.299 229.951,37.299 J5.1
PA6: J7.1 R16.1 U4.11 | length 15.7
  Top Layer w0.8: J7.1 68.61,57.41 73.785,62.585 U4.11
  Bottom Layer w0.8: R16.1@62.275,57.425 62.282,57.418 66.042,57.418 J7.1
PA7: J7.3 R8.2 U4.10 | length 14.7
  Top Layer w0.8: J7.3 68.79,62.49 71.425,65.125 U4.10
  Bottom Layer w0.8: R8.2 62.28,62.495 66.045,62.495 J7.3
TRS: IC1.5 R17.1 | length 15.5
  Top Layer w0.6: R17.1 117,21.725 118.475,20.25 124.15,20.25 125.905,18.495 IC1.5
VOLTAJ: C8.1 R18.2 U4.5 | length 97.5
  Top Layer w0.6: v1(70.175,29.875) 84.45,15.6 R18.2 C8.1
  Bottom Layer w0.6: v1(70.175,29.875) 70.175,75.575 72.425,77.825 U4.5
pads on no net: IC1.8 IC1.9 IC1.10 IC1.12 IC1.13 IC1.14 J2.2 J6.3 J6.4 J6.5 J6.6 J6.11 J6.14 J8.4 PS1.3 U4.1 U4.2 U4.3 U4.4 U4.7 U4.8 U4.9 U4.13 U4.14 U4.15 U4.16 U4.17 U4.18 U4.21 U4.22 U4.23 U4.24 U4.26 U4.27 U4.28 U4.29 U4.30 U4.31 U4.34 U4.35 U4.36 U4.37 U4.39

## Polygon pours and split planes (outlines as drawn)
AGND on Top Layer "\"\"" (solid, pour order 2): 180.675,34.5 186.25,34.5 190.475,30.275 224.7,30.275 232.075,30.275 233.575,28.775 233.575,24.225 230.575,21.225 189.55,21.225 180.675,30.1
NetB1_1 on Top Layer "\"\"" (solid, pour order 8): 230.825,83.1 232.875,85.15 232.875,133.225 236.15,136.5 244.825,136.5 246.35,134.975 246.35,131.725 245.3,130.675 240.225,130.675 239.575,130.025 239.575,116.425 240.125,115.875 244.825,115.875 245.65,115.05 245.65,110.625 245.05,110.025 240.7,110.025 240.125,109.45 240.125,73.175 240.125,70.6 233.925,64.4 233.925,80
NetB1_1 on Top Layer "\"\"" (solid, pour order 5): 197.604,72.35 218.8,72.35 226.525,64.625 228.275,62.875 232.4,62.875 233.925,64.4 233.925,80 230.825,83.1 195.225,83.1 193.05,80.925 193.05,77.675
NetB2_2 on Top Layer "\"\"" (solid, pour order 1): 184.575,43.525 189.575,43.525 191.75,45.7 191.75,55.8 194.275,58.325 196.65,58.325 199.475,55.5 199.475,39.55 195.05,35.125 187.725,35.125 180.675,35.125 180.675,39.625 180.675,37.725 180.675,39.625
OUTP on Bottom Layer "\"\"" (solid, pour order 4): 230.9,32.175 234.075,35.35 234.075,56.675 231.55,59.2 226.975,59.2 221.675,53.9 221.675,48.6 215.475,42.4 205.35,42.4 199.225,36.275 199.225,32.175
NetB2_1 on Bottom Layer "\"\"" (solid, pour order 11): 216.7,107.517 221.658,112.475 225.85,112.475 227.425,110.9 227.425,97.225 231.875,92.775 231.875,87.7 229.7,85.525 222.648,85.525 216.7,91.177
NetD7_2 on Bottom Layer "\"\"" (solid, pour order 10): 221.6,127.275 224.825,127.275 225.925,126.175 242.05,110.05 244.05,110.05 244.775,109.325 244.775,104.4 244.375,104 238.55,104 226.25,116.3 224.975,117.575 221.95,117.575 220.9,118.625 220.9,126.575 220.9,118.625 220.9,126.575
NetD5_2 on Bottom Layer "\"\"" (solid, pour order 9): 222.45,142.95 227.625,142.95 239.925,130.65 243.2,130.65 244.95,128.9 244.95,126.45 241.625,123.125 234.6,123.125 226.425,131.3 225.15,132.575 222.125,132.575 221.075,133.625 221.075,141.575 221.075,133.625 221.075,141.575
NetB2_1 on Bottom Layer "\"\"" (solid, pour order 6): 192.675,67.775 194.675,69.775 201.525,69.775 205.55,73.8 205.55,82.225 203.125,84.65 197.375,84.65 194.9,87.125 194.9,91.6 196.2,92.9 231.75,92.9 233.975,90.675 233.975,86.125 232.725,84.875 224.475,84.875 218.6,79 218.6,70.75 209.5,61.65 193.4,61.65 192.675,62.375

## Keep-outs
Keep-Out Layer:
  the board outline again, w1

## Silkscreen, mask and mechanical layers (free items; w line width, h text height)
Top Overlay:
  drawing of 50 lines, arcs and shapes, not listed
  text "POWER" at 36.179,134.829 h1.52
  text "LINE FILTER" at 36.179,131.554 h1.52
  text "HİLAL ELEKTROMOBİL" at 84.325,104.308 h3
  text "BURAK YAŞAR   AHMET KILIÇ   ABDULLAH TOYGAR" at 27.058,101.225 h3 r270
  text "YERLEŞİK ŞARJ BİRİMİ" at 84.328,100.683 h3
  text "800 WATT" at 90.291,95.625 h3
  text "HEAT SINK" at 165.125,82.575 h4 r270
  text "AGND" at 152.907,26.327 h1.52 r90
  text "OUTP" at 155.632,26.327 h1.52 r90
  text "5V" at 158.358,26.327 h1.52 r90
  text "NC" at 160.593,26.327 h1.52 r90
  text "FAN" at 180.2,12.625 h5